# Altium PCB PCB1.PcbDoc (part 1 of 2) (continued)
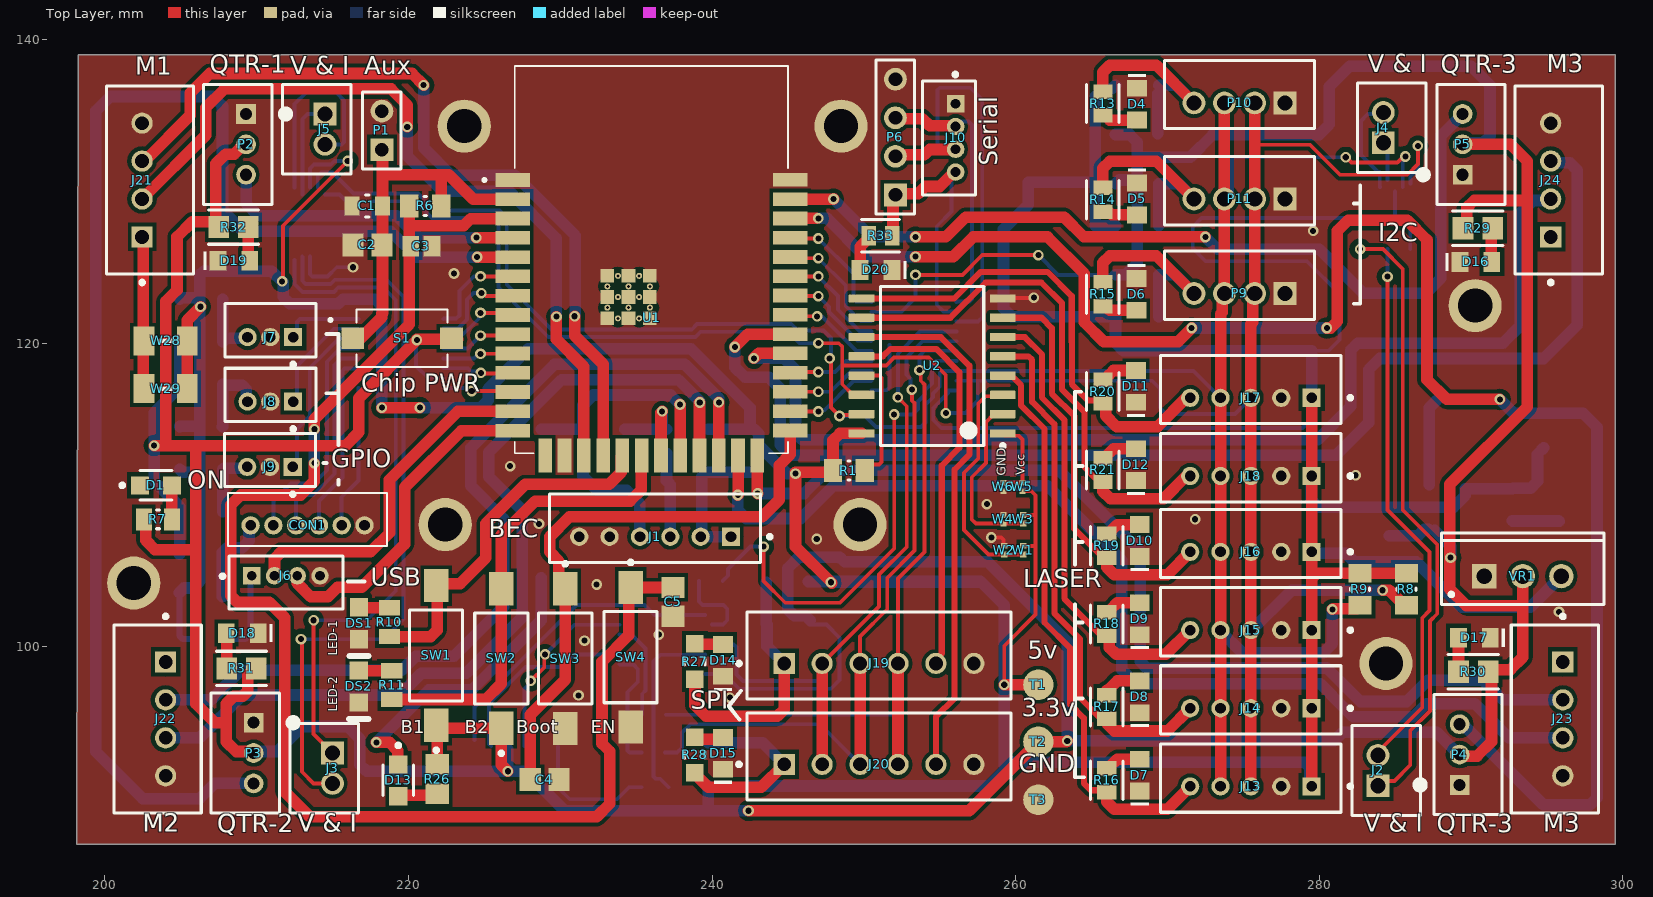
[diagram p0: Top Layer view]
## Part data
C1: library part CMP-14477-000079-3, "Multilayer Ceramic Capacitor 10uF 25V X5R 10% SMD 0805 T/R", Capacitance=10uF, Case Code (Imperial)=0805, Case Code (Metric)=2012, Dielectric=X7R, Max Operating Temperature=85°C, Min Operating Temperature=-55°C, Package Quantity=1, Resistor Type=Ceramic, Tolerance=10%, Voltage=16V, Voltage Rating=25V, Case/Package=0805, Height=1.25mm, Lead Free="Lead Free", Length=0.079inch, Mount="Surface Mount", Number of Pins=2, Packaging="Tape and Reel", REACH SVHC="No SVHC", RoHS Compliant=Yes, Series=M, Termination=SMD/SMT, Thickness=0.053inch, Voltage Rating (DC)=25V, Width=0.049inch
C2 C4 C5: library part CMP-2100-03644-1, "Chip Capacitor, 0.1 uF, +/- 10%, 50 V, -55 to 125 degC, 0805 (2012 Metric), RoHS, Tape and Reel", Capacitance=100nF, Case Code (Imperial)=0805, Case Code (Metric)=2012, Dielectric=X7R, Dielectric Material=Ceramic, Insulation Resistance=10GR, Manufacturer=Murata, Max Operating Temperature=125degC, Min Operating Temperature=-55degC, Package Description="2-Pin Surface Mount Device, Body 2 x 1.25 mm", Package Quantity=1, Tolerance=10%, Voltage=50V, Case/Package=0805, Datasheet URL=http://psearch.en.murata.com/capacitor/product/GRM21BR71H104KA01%23.pdf, Datasheet Version=42675.0, Depth=1.25mm, Height=1.25mm, Lead Free=LeadFree, Length=2mm, Manufacturer URL=http://www.murata.com/, Material=Ceramic, Mount=SurfaceMount, Number of Pins=2, Package Reference=0805, Packaging=TapeandReel, Radiation Hardening=No, REACH SVHC=Unknown, RoHSCompliant=true, Termination=SMD/SMT, Thickness=0.053inch, Voltage Rating=50V, Voltage Rating (DC)=50V, Width=0.049inch
C3: library part CMP-1036-04746-2, Manufacturer=Kemet, Part Number=C0805C105K4PACTU
C6 C7: library part CMP-06035-003841-1, "Chip Multilayer Ceramic Capacitors for General Purpose, 1206, 22uF, X7R, 15%, 10%, 10V", Capacitance=22uF, Case Code (Imperial)=1206, Case Code (Metric)=3216, Dielectric=X7R, Max Operating Temperature=125°C, Min Operating Temperature=-55°C, Package Quantity=1, Tolerance=10%, Voltage=10V, Case/Package=1206, Depth=1.6mm, Height=1.6mm, Lead Free="Lead Free", Length=3.2mm, Material=Ceramic, Mount="Surface Mount", Packaging="Tape and Reel", Radiation Hardening=No, REACH SVHC="No SVHC", Termination=SMD/SMT, Thickness=0.071inch, Voltage Rating=10V, Voltage Rating (DC)=10V, Width=0.063inch
CON1: "Connector Header Surface Mount 6 position 0.059 (1.50mm)", Package=None, Supplier Part Number 1=6983506, Availability=Unavailable, Check_prices=https://www.snapeda.com/parts/B6B-ZR/JST/view-part/4701794/?ref=eda, MF=JST, MP=B6B-ZR, Price=None, SnapEDA_Link=https://www.snapeda.com/parts/B6B-ZR/JST/view-part/4701794/?ref=snap, Supplier 1="Future Electronics"
D1: library part CMP-44529-000064-1, "LED YELLOW CLEAR CHIP SMD", Case Code (Imperial)=0805, Case Code (Metric)=2012, Color=Yellow, Forward Current=20mA, Forward Voltage=2V, Illumination Color=Green, Lens Color=Clear, Max Operating Temperature=85°C, Min Operating Temperature=-40°C, Package Quantity=2000, Case/Package=0805, Dominant Wavelength=590nm, Height=0.4mm, Lead Free="Lead Free", Length=2mm, Lens Style=Clear, Luminous Intensity=150mcd, Mount="Surface Mount", Number of LEDs=1, Number of Pins=2, Packaging="Tape and Reel", RoHS Compliant=Yes, Series=APHCM, Test Current=20mA, Viewing Angle=110°, Wavelength=590nm, Width=1.25mm
D2: library part CMP-2000-05919-1, "Medium Power AF Schottky Diode, 0.41 V, 1 A, -65 to 125 degC, 2-Pin SOD323, RoHS, Tape and Reel", Manufacturer=Infineon, Max Processing Temp=260, Operating Temperature=-65to125C, Package Description="2-Pin Small Outline Diode Package, Body 1.25 x 1.7 mm", Package Reference=SOD323, Peak Average Forward Current=1A, Peak Reverse Repetitive Voltage=30V, Configuration=Single, Datasheet URL=http://www.infineon.com/dgdl/Infineon-BAS3010ASERIES-DS-v01_01-en.pdf?fileId=db3a30431ddc9372011dfbc50f231c06, Datasheet Version=04/2007, Lead Finish=Tin, Manufacturer URL=http://www.infineon.com/, Mounting=SurfaceMount, Mounting Technology=SurfaceMount, Package URL=http://www.infineon.com/dgdl/SOD323-Package_Overview.pdf?folderId=db3a30431936bc4b011952aab84f3bbe&fileId=db3a30431936bc4b011952beed653be3, Screening Level=Automotive, Type=SchottkyDiode
D3: library part CMP-1426-00010-3, Case Code (Imperial)=0805, Case Code (Metric)=2012, Color=Red, Forward Current=100mA, Forward Voltage=1.9V, Max Junction Temperature (Tj)=95°C, Max Operating Temperature=85°C, Max Reverse Voltage (DC)=5V, Min Operating Temperature=-40°C, Power Dissipation=72mW, Test Current=20mA, Case/Package=0805, Dominant Wavelength=630nm, Height=700µm, Length=2mm, Lens Style="Clear, Rectangular", Luminous Intensity=60mcd, Mount="Surface Mount", NexarPartId=29717782, Packaging="Tape and Reel", Peak Wavelength=645nm, REACH SVHC=Unknown, Reverse Voltage=5V, RoHS=Compliant, Viewing Angle=140°, Wavelength=630nm, Width=1.25mm
D4 D5 D6 D7 D8 D9 D10 D11 D12 D14 D15 D16 D17 D18 D19 D20: library part CMP-1426-00008-6, Case Code (Imperial)=0805, Case Code (Metric)=2012, Color=Blue, Forward Current=100mA, Forward Voltage=3.2V, Max Junction Temperature (Tj)=95°C, Max Operating Temperature=85°C, Max Reverse Voltage (DC)=5V, Min Operating Temperature=-40°C, Power Dissipation=105mW, Test Current=20mA, Case/Package=0805, Dominant Wavelength=470nm, Height=700µm, Lead Free="Lead Free", Length=2mm, Lens Style="Clear, Rectangular", Luminous Intensity=145mcd, Mount="Surface Mount", NexarPartId=29717779, Packaging="Tape and Reel", Peak Wavelength=465nm, REACH SVHC=Unknown, Reverse Voltage=5V, RoHS=Compliant, Viewing Angle=140°, Wavelength=470nm, Width=1.25mm
D13: library part CMP-22017-000036-1, "LED ORANGE CLEAR SMD", Case Code (Imperial)=0805, Case Code (Metric)=2012, Color=Orange, Forward Current=30mA, Forward Voltage=2V, Lens Color=Colorless, Max Operating Temperature=85°C, Min Operating Temperature=-55°C, Package Quantity=1, Power Dissipation=75mW, Reverse Voltage=5V, Test Current=20mA, Case/Package=0805, Depth=1.6mm, Dominant Wavelength=605nm, Height=1.1mm, Illumination Color=Orange, Lead Free="Lead Free", Length=3.2mm, Lens Style=Diffused, Lens Transparency=Clear, Luminous Intensity=60mcd, Mount="Surface Mount", Number of Elements=1, Number of LEDs=1, Number of Pins=2, Packaging="Tape and Reel", Power Rating=75mW, Radiation Hardening=No, Viewing Angle=130°, Wavelength=611nm, Width=1.25mm
DS1 DS2: library part CMP-2000-05062-1, "Chip LED, Green, 2.2 V, -40 to 85 degC, 2-Pin SMD, Pb-Free, Tape and Reel", Forward Current If=20mA, Forward Voltage=2.2V, Forward Voltage VF Max=2.6V, LED Colour=Green, Manufacturer=Avago, Operating Temperature Max=85degC, Operating Temperature Min=-30degC, Operating Temperature Range=-30degCto+85degC, Opto Case Style=SMD, Package Description="2-Pin Surface Mount Device, Body 2 x 1.25 mm, Height 0.8 mm", Package Reference=HSMX-C170, Storage Temperature Min=-40degC, Bulb Size=1.25mmx1.4mm, Datasheet URL=https://datasheet.ciiva.com/29280/180495-da-01-en-chip-led-hsmg-c170-gelb-gruen-29280971.pdf, Datasheet Version=Oct-08, Dominant Wavelength=572nm, Dominant Wavelength Typ=572nm, External Depth=0.8mm, External Length / Height=2mm, External Width=1.25mm, Forward Current If Max=20mA, LED Mounting=SMD, LED Type=Standard, Lens Shape=Rectangular, Light Area Height=1mm, Luminous Intensity=15mcd, Luminous Intensity Min=4mcd, Luminous Intensity Typ=15mcd, Manufacturer URL=http://www.avagotech.com/, Mounting Type=SMD, MSL=MSL2A-4weeks, No. of Pins=2, Opto Mounting Orientation=Top, Packaging=CutTape, Peak Forward Current=20mA, Peak Wavelength=570nm, PIV Max=5V, Storage Temperature Max=85degC, SVHC=NoSVHC(16-Jun-2014), Viewing Angle=170deg, Voltage Vf Typ=2.2V, Wavelength Typ=570nm
J1: library part CMP-17439-000495-1, "PH Series 6 Position 2 mm Pitch Through Hole Top Entry Shrouded Header", Lead Free="Lead Free"
J2 J3 J4 J5: library part CMP-2000-05162-1, "Male Header, Pitch 2 mm, 1 x 2 Position, Height 6 mm, Tail Length 3.4 mm, -25 to 85 degC, RoHS, Bulk", Manufacturer=JST, Datasheet URL=http://datasheet.octopart.com/B2B-PH-K-S%28LF%29%28SN%29-JST-datasheet-8324864.pdf, Datasheet Version=Nov-08, Manufacturer URL=http://www.jst.com/home2.html, No of Positions=2, Pitch=2mm, Style/Orientation=StraightHeader/Plug, Termination=Crimp, Type=ShroudedHeader
J6 J10: library part CMP-17439-000033-1, "CONN HEADER VERT 4POS 1.5MM", Color=Natural, Contact Resistance=30mR, Current Rating=1A, Flammability Rating="UL94 V-0", Housing Color=Beige, Insulation Resistance=500MR, Max Operating Temperature=85°C, Max Voltage Rating (AC)=50V, Min Operating Temperature=-25°C, Body Plating=Tin, Connector Type="Male Pin", Contact Material=Brass, Contact Mating Length=0.094inch, Contact Plating=Tin, Contact Type="Male Pin", Depth=3.5mm, Fastening Type=Detent, Gender=Male, Housing Material=Polyamide, Lead Free="Lead Free", Lead Pitch=1.5mm, Length=7.5mm, Material=Nylon, Max Current Rating=1A, Mount="Through Hole", Number of Contacts=4, Number of Positions=4, Number of Rows=1, Orientation=Straight, Packaging=Bulk, Panel Thickness=3.5mm, Pitch=1.5mm, REACH SVHC="No SVHC", Series=ZH, Termination=Solder, Voltage Rating=50V, Voltage Rating (AC)=50V, Voltage Rating (DC)=50V
J7 J8 J9: library part CMP-17439-000041-1, "CONN HEADER VERT 3POS 1.5MM", Color=Natural, Contact Resistance=30mR, Current Rating=1A, Flammability Rating="UL94 V-0", Housing Color=Beige, Insulation Resistance=500MR, Max Operating Temperature=85°C, Max Voltage Rating (AC)=50V, Min Operating Temperature=-25°C, Body Plating=Tin, Connector Type="Male Pin", Contact Material=Copper, Contact Mating Length=0.094inch, Contact Plating=Tin, Contact Type="Male Pin", Depth=3.5mm, Fastening Type=Detent, Gender=Male, Housing Material=Polyamide, Lead Free="Lead Free", Lead Pitch=1.5mm, Length=6mm, Material=Nylon, Max Current Rating=1A, Mount="Through Hole", Number of Contacts=3, Number of Positions=3, Number of Rows=1, Orientation=Straight, Packaging=Bulk, Panel Thickness=3.5mm, Pitch=1.5mm, REACH SVHC="No SVHC", Series=ZH, Termination=Solder, Voltage Rating=50V, Voltage Rating (AC)=50V, Voltage Rating (DC)=50V
J13 J14 J15 J16 J17 J18: library part CMP-2000-05908-2, "CONN HEADER VERT 5POS 2MM", Color=Natural, Contact Resistance=20mR, Current Rating=2A, Flammability Rating="UL94 V-0", Housing Color=White, Insulation Resistance=1MR, Max Operating Temperature=85°C, Max Voltage Rating (AC)=100V, Min Operating Temperature=-25°C, Connector Type=Header, Contact Finish - Mating=TIN, Contact Material=Brass, Contact Mating Length=0.13inch, Contact Plating=Tin, Contact Shape=Square, Contact Type="Male Pin", Depth=4.5mm, Fastening Type=Detent, Gender=Male, Height=9.4mm, Housing Material=Polyamide, Insulation Color=Natural, Insulation Material=Nylon, Lead Free="Lead Free", Lead Pitch=2mm, Length=11.9mm, Mated Stacking Heights=8mm, Material=Polyamide, Max Current Rating=2A, Mount="Through Hole", Number of Contacts=5, Number of Pins=5, Number of Poles=5, Number of Positions=5, Number of Rows=1, Orientation=Straight, Packaging=Bulk, Pitch=2mm, REACH SVHC="No SVHC", Series=PH, Termination=Solder, Voltage Rating=100V, Voltage Rating (AC)=100V, Width=4.5mm, Working Voltage=100V
J19 J20: library part CMP-17439-000076-1, "CONN HEADER VERT 6POS 2.5MM"
J21 J22 J23 J24: library part CMP-17439-000250-1, "CONN HEADER VERT 4POS 2.5MM", Color=Natural, Contact Resistance=20mR, Current Rating=3A, Flammability Rating="UL94 V-0", Housing Color=White, Insulation Resistance=1GR, Max Operating Temperature=85°C, Max Voltage Rating (AC)=250V, Min Operating Temperature=-25°C, Package Quantity=500, Connector Type=Header, Contact Finish - Mating=TIN, Contact Material=Brass, Contact Plating=Tin, Contact Shape=Square, Contact Type="Male Pin", Depth=5.75mm, Fastening Type=Detent, Gender=Male, Housing Material=Polyamide, Insulation Color=Natural, Insulation Material=Nylon, Lead Free="Lead Free", Lead Pitch=2.5mm, Length=12.4mm, Mated Stacking Heights=9.8mm, Material=Polyamide, Max Current Rating=3A, Max Voltage Rating (DC)=250V, Mount="Through Hole", Number of Contacts=4, Number of Positions=4, Number of Rows=1, Orientation=Straight, Packaging=Bulk, Pitch=2.5mm, REACH SVHC="No SVHC", Series=XH, Termination=Solder, Voltage Rating=250V, Voltage Rating (AC)=250V, Wire/Cable Gauge=22AWG
P1: "Header, 2-Pin", LatestRevisionDate=17-Jul-2002, LatestRevisionNote="Re-released for DXP Platform.", Publisher="Altium Limited"
P2 P3 P4 P5: library part CMP-2000-05164-1, "Male Header, Pitch 2 mm, 1 x 3 Position, Height 6 mm, Tail Length 3.4 mm, -25 to 85 degC, RoHS, Bulk", Manufacturer=JST, Datasheet URL=https://datasheet.ciiva.com/11746/0900766b80826550-11746939.pdf, Datasheet Version=Oct-06, Manufacturer URL=http://www.jst.com/home2.html, No of Positions=3, Pitch=2mm, Style/Orientation=StraightHeader/Plug, Termination=Crimp, Type=ShroudedHeader
P6: "Header, 4-Pin", LatestRevisionDate=17-Jul-2002, LatestRevisionNote="Re-released for DXP Platform.", Publisher="Altium Limited"
P9 P10 P11: library part CMP-2000-05165-1, "Male Header, Pitch 2 mm, 1 x 4 Position, Height 6 mm, Tail Length 3.4 mm, -25 to 85 degC, RoHS, Bulk", Manufacturer=JST, Datasheet URL=http://datasheet.octopart.com/B4B-PH-K-S%28LF%29%28SN%29-JST-datasheet-10558886.pdf, Datasheet Version=Apr-09, Manufacturer URL=http://www.jst.com/home2.html, No of Positions=4, Pitch=2mm, Style/Orientation=StraightHeader/Plug, Termination=Crimp, Type=ShroudedHeader
R1 R6 R8 R9 R12: library part CMP-2001-04908-2, "RES Thick Film, 10kΩ, 1%, 0.125W, 100ppm/°C, 0805", Case Code (Imperial)=0805, Case Code (Metric)=2012, Max Operating Temperature=155°C, Min Operating Temperature=-55°C, Package Quantity=5000, Power Rating=125mW, Resistance=10kR, Temperature Coefficient=100ppm/°C, Tolerance=1%, Voltage Rating=150V, Case/Package=0805, Composition="Thick Film", Contact Plating=Tin, Depth=1.25mm, Height=0.45mm, Lead Free="Lead Free", Length=2mm, Military Standard=Not, Packaging="Tape and Reel", Radiation Hardening=No, Termination=SMD/SMT, Voltage Rating (DC)=150V, Weight=0.000194oz, Width=1.25mm
R2 R4: library part CMP-2100-03668-5, "RES 100K OHM 1% 1/8W 0805", Case Code (Imperial)=0805, Case Code (Metric)=2012, Max Operating Temperature=155°C, Max Power Dissipation=125mW, Min Operating Temperature=-55°C, Package Quantity=1, Resistance=100kR, Resistance Tolerance=1%, Resistor Type="Thick Film", Temperature Coefficient=100ppm/°C, Voltage Rating=150V, Case/Package=0805, Construction=Rectangular, Depth=1.25mm, Features="Moisture Resistant", Height=0.024inch, Lead Free="Lead Free", Lead Pitch=0.4mm, Length=0.079inch, Military Standard=Not, Number of Pins=2, Number of Terminations=2, Packaging="Tape and Reel", Power Rating=125mW, RoHS Compliant=Yes, Series=RC, Size Code=0805, Technology="THICK FILM", Termination=SMD/SMT, Tolerance=1%, Voltage Rating (DC)=150V, Width=0.049inch
R3 R5: library part CMP-2001-03939-2, "RES Thick Film, 47kΩ, 1%, 0.125W, 100ppm/°C, 0805", Case Code (Imperial)=0805, Case Code (Metric)=2012, Max Operating Temperature=155°C, Max Power Dissipation=125mW, Min Operating Temperature=-55°C, Package Quantity=10, Resistance=47kR, Temperature Coefficient=100ppm/°C, Tolerance=1%, Voltage Rating=150V, Case/Package=0805, Composition="Thick Film", Contact Plating=Tin, Depth=1.25mm, Features="Automotive AEC-Q200", Height=0.45mm, Lead Free="Lead Free", Length=2mm, Military Standard=Not, Number of Terminations=2, Packaging="Tape and Reel", Power Rating=125mW, Radiation Hardening=No, Termination=SMD/SMT, Voltage Rating (DC)=150V, Weight=0.000194oz, Width=1.25mm, Working Voltage=150V
R7: library part CMP-2001-04066-1, Manufacturer="Vishay Dale", Part Number=CRCW0805680RFKEA
R10 R11: library part CMP-2001-03859-2, "RES Thick Film, 390Ω, 1%, 0.125W, 100ppm/°C, 0805", Case Code (Imperial)=0805, Case Code (Metric)=2012, Max Operating Temperature=155°C, Max Power Dissipation=125mW, Min Operating Temperature=-55°C, Package Quantity=10, Resistance=390R, Temperature Coefficient=100ppm/°C, Tolerance=1%, Voltage Rating=150V, Case/Package=0805, Composition="Thick Film", Contact Plating=Tin, Depth=1.25mm, Features="Automotive AEC-Q200", Height=0.45mm, Lead Free="Lead Free", Length=2mm, Military Standard=Not, Mount="Surface Mount", Number of Terminations=2, Packaging="Tape and Reel", Power Rating=125mW, Radiation Hardening=No, Termination=SMD/SMT, Voltage Rating (DC)=150V, Weight=0.000194oz, Width=0.049inch
R13 R14 R15 R16 R17 R18 R19 R20 R21 R27 R28 R33: library part CMP-05422-000125-1, "RES SMD 1K OHM 1% 1/2W 0805", Case Code (Imperial)=0805, Case Code (Metric)=2012, Max Operating Temperature=155°C, Max Power Dissipation=500mW, Min Operating Temperature=-55°C, Package Quantity=5000, Resistance=1kR, Resistance Tolerance=1%, Resistor Type="Thick Film", Temperature Coefficient=100ppm/°C, Voltage Rating=150V, Case/Package=0805, Construction=Rectangular, Contact Plating=Tin, Depth=1.25mm, Features="Automotive AEC-Q200", Height=0.6mm, Length=2mm, Military Standard=Not, Mount="Surface Mount", Number of Pins=2, Number of Terminations=2, Packaging="Tape and Reel", Power Rating=500mW, Radiation Hardening=No, REACH SVHC="No SVHC", RoHS Compliant=Yes, Series=ERJ, Technology="THICK FILM", Termination=Tab, Tolerance=1%, Voltage Rating (DC)=150V, Width=1.2mm
R22 R23 R24 R25: library part CMP-28537-003170-1, "Automotive Metal Thin Film Chip Resistor, 0805, 3.3kΩ, 0.25%, 10ppm/°C, 0.125W, 150V", Case Code (Imperial)=0805, Case Code (Metric)=2012, Max Operating Temperature=155°C, Max Power Dissipation=125mW, Min Operating Temperature=-55°C, Power Rating=100mW, Resistance=3.3kR, Temperature Coefficient=10ppm/°C, Tolerance=0.25%, Voltage Rating=100V, Voltage Rating (DC)=150V, Case/Package=0805, Features="Automotive AEC-Q200", Height=0.4mm, Lead Free="Lead Free", Length=2mm, Number of Terminations=2, Packaging="Tape and Reel", RoHS Compliant=Yes, Series=RG, Termination=SMD/SMT, Width=1.25mm
R26: library part CMP-2001-00566-1, Manufacturer=Panasonic, Part Number=ERJ6ENF6800V
R29 R30 R31 R32: library part CMP-2001-04437-2, Case Code (Imperial)=0805, Case Code (Metric)=2012, Max Operating Temperature=155°C, Max Power Dissipation=125mW, Min Operating Temperature=-55°C, Resistance=150Ω, Temperature Coefficient=100ppm/°C, Tolerance=1%, Voltage Rating=150V, Case/Package=0805, Composition="Thick Film", Contact Plating=Tin, Depth=1.25mm, Features="Automotive AEC-Q200", Height=600µm, Lead Free="Lead Free", Length=2mm, Lifecycle Status=Production, Military Standard=Not, Mount="Surface Mount", NexarPartId=55422415, Number of Pins=2, Number of Terminations=2, Packaging="Cut Tape (CT)", Power Rating=125mW, Radiation Hardening=No, REACH SVHC="No SVHC", RoHS=Compliant, Schedule B="8533210045, 8533210045", Termination=SMD/SMT, Voltage Rating (DC)=150V, Width=1.2446mm, Working Voltage=150V
S1: Package=None, Supplier Part Number 1=2223-TS10-63-26-BE-250-SMT-TRCT-ND, Availability=Unavailable, MP=TS10-63-26-BE-250-SMT-TR, Price=None, Supplier 1=Digikey
SD1: library part CMP-2000-05848-1, "MicroSD(TM), Pitch 1.1 mm, 8 Position, Height 1.88 mm, -20 to 85 degC, RoHS, Tape and Reel", Manufacturer=Molex, Package Description="MicroSD(TM), Pitch 1.1 mm, 8 Position, Height 1.88 mm", Datasheet URL=http://www.molex.com/pdm_docs/sd/473521001_sd.pdf, Datasheet Version="Rev. G, 01/2012", Manufacturer URL=http://www.molex.com/, Mounting Technology=SurfaceMount, Package Reference=473521001
SW1 SW2 SW3 SW4: library part CMP-2000-07501-1, "FSMSM Push Button Switch, 50 mA, -35 to 85 degC, 2-Pin SMD, RoHS, Tape and Reel", Case\/Package=SMD/SMT, Contact Current Rating=50mA, Contact Resistance=100mOhm, Manufacturer="TE Connectivity", Max Operating Temperature=85degC, Max Voltage Rating (DC)=12V, Min Operating Temperature=-35degC, Operating Force=180gf, Package Description="2-Pin Surface Mount Device, Body 6 x 3.5 mm, Pitch 9.19 mm", Package Quantity=1800, Voltage Rating (DC)=24V, Actuator Length=1.07mm, Actuator Material=Polyamide, Contact Material=Brass, Contact Plating=Silver, Current Rating=50mA, Datasheet URL=http://www.te.com/commerce/DocumentDelivery/DDEController?Action=showdoc&DocId=Customer+Drawing%7F1437566-3%7FC2%7Fpdf%7FEnglish%7FENG_CD_1437566-3_C2_1437566_3_1_c.dwg.pdf%7F1437566-4, Datasheet Version="Rev. C2, 08/2014", Electrical Life=20000Cycles, ELV=Compliant, Illumination Type=Illuminated, Lead Free=LeadFree, Manufacturer URL=http://www.te.com/, Mechanical Life=20000Cycles, Mount=SurfaceMount, Mounting Technology=SurfaceMount, Orientation=Straight, Package Reference=FSMSMTR, Packaging=TapeandReel, REACH SVHC=Unknown, RoHSCompliant=true, Switch Travel=0.25mm, Termination=GullWing, Throw Configuration=SPST
U1: library part ESP32-S3-WROOM-1, "SMD MODULE, ESP32-S3R8 WITH 8 MB", Package="NON STANDARD Espressif Systems", Check_prices=https://www.snapeda.com/parts/ESP32-S3-WROOM-1/Espressif+Systems/view-part/?ref=eda, MF="Espressif Systems", MP=ESP32-S3-WROOM-1, SnapEDA_Link=https://www.snapeda.com/parts/ESP32-S3-WROOM-1/Espressif+Systems/view-part/?ref=snap, Supplier 1=Digikey
U2: library part CMP-0314-00117-2, "Remote 8-Bit I/O Expander for I2C-Bus, 2.5 to 6 V, -40 to 85 degC, 16-pin SOIC (DW), Green (RoHS & no Sb/Br)", Manufacturer="Texas Instruments", Max Frequency(kHz)=100, Voltage Nodes(V)="5, 3.3", # of I/Os=8, Code_JEDEC=MS-013-AA, ComponentLink1Description=Datasheet, ComponentLink1URL=http://www.ti.com/general/docs/lit/getliterature.tsp?genericPartNumber=PCF8574&fileType=pdf, ComponentLink2Description="Package Specification", ComponentLink2URL=http://www.ti.com/litv/pdf/msoi003g, DatasheetVersion=SCPS068G, Eco-Plan="Green (RoHS & no Sb/Br)", fSCLK(Max)(MHz)=0.1, I2C Address="0100 xxx", Interrupt Output=Yes, Mounting Technology="Surface Mount", PackageDescription="16-Pin Small Outline Integrated Circuit, 10.3 x 7.5 mm, Pitch 1.27 mm Pitch", PackageReference=DW0016A, PackageVersion="revG, Jan-2011", PartNumber=PCF8574DWR, Push-Pull I/O Type=Yes, Reset Input=No, SubFamily="I2C IO Expander", Vcc range(V)="2.5 to 6.0", VCC(Max)(V)=6, VCC(Min)(V)=2.5
U3 U4: library part CMP-0003-00378-2, "16-Bit ADC with Integrated Multiplexer, PGA, Comparator, Oscillator, and Reference, -40 to 125 degC, 10-pin SOP (DGS10), Green (RoHS & no Sb/Br)", Analog Voltage AV/DD(Max)(V)=5.5, Analog Voltage AV/DD(Min)(V)=2, Manufacturer="Texas Instruments", # Input Channels=4, Architecture=Delta-Sigma, Code_JEDEC=MO-153, ComponentLink1Description="Manufacturer URL", ComponentLink1URL=http://www.ti.com/, ComponentLink2Description=Datasheet, ComponentLink2URL=http://www.ti.com/general/docs/lit/getliterature.tsp?genericPartNumber=ADS1115&fileType=pdf, ComponentLink3Description="Package Specification", ComponentLink3URL=http://www.ti.com/lit/ml/mpds035b/mpds035b.pdf, DatasheetVersion=SBAS444B, Digital Supply(Max)(V)=5.5, Digital Supply(Min)(V)=2, Eco-Plan="Green (RoHS & no Sb/Br)", INL(Max)(+/-LSB)=1, Interface="Serial I2C", Mounting Technology="Surface Mount", PackageDescription="10-Pin Plastic Small Outline, Body 3 x 3 mm, Pitch 0.5 mm", PackageReference=DGS10, PackageVersion="4073272/C, 02/2004", PartNumber=ADS1115IDGST, Resolution(Bits)=16, Sample Rate (max)(SPS)=860, SubFamily="Precision ADC (<=10MSPS)"
U5 U6: library part CMP-04899-000001-1, "IC TRNSLTR BIDIRECTIONAL 20TSSOP", Ambient Temperature Range High=+125°C, Ambient Temperature Range Low=-40°C, Manufacturer="Texas Instruments", Max Junction Temp=+150°C, Max Supply Voltage=5.5V, Min Supply Voltage=1.4V, Nominal Supply Current=8uA, Package=PW0020A, Temperature="-40°C to +125°C", Automotive=Yes, Automotive Grade="Grade 1", Category=IC, ComponentLink2Description=Datasheet, ComponentLink2URL=http://www.ti.com/lit/ds/symlink/txs0108e-q1.pdf, Data Rate=110Mbits/s, Device Class L1="Integrated Circuits (ICs)", Device Class L2="Logic ICs", Device Class L3="Voltage Level Shifters", Digikey Description="IC TRNSLTR BIDIRECTIONAL 20TSSOP", Height=1.2mm, Ipc Land Pattern Name=SOP65P640X120-20, Lead Free=Yes, Logic Function Desc=Non-inverting, Manufacturer Part Number=TXS0108EQPWRQ1, Mouser Description="Translation - Voltage Levels 8B Bidir Vltg-Level Translator ALT 595-TXS0108EPWR", Number Of Circuits=1, Number Of Inputs=8, Number Of Outputs=8, Octopart=https://octopart.com/txs0108eqpwrq1-texas+instruments-59160487, RoHS=TRUE, Standoff Height=0.05mm, Temperature Range High=+125°C, Temperature Range Low=-40°C, V A Max=3.6V, V A Min=1.4V, V B Max=5.5V, V B Min=1.65V
U7: library part CMP-07128-000023-2, "IC REG LINEAR 3.3V 1A DPAK", Case/Package=DPAK, Dropout Voltage=1.07V, Input Bias Current=6mA, Max Input Voltage=20V, Max Operating Temperature=125°C, Max Output Current=1A, Min Operating Temperature=0°C, Nominal Output Voltage=3.3V, Output Voltage Accuracy=1%, Package Quantity=1, Quiescent Current=10mA, Reference Voltage=1.27V, Accuracy=1%, Contact Plating=Tin, Halogen Free="Halogen Free", Height=2.38mm, Lead Free="Lead Free", Length=6.73mm, Min Current Limit=1A, Mount="Surface Mount", Number Of Outputs=1, Number of Pins=3, Number of Regulators=1, Output Current=1A, Output Type=Fixed, Output Voltage=3.3V, Packaging="Tape and Reel", Polarity=Positive, Radiation Hardening=No, REACH SVHC="No SVHC", Width=6.22mm
U9: library part CMP-0440-00179-4, "IC BUF NON-INVERT 3.6V 14TSSOP", Case/Package=TSSOP, High Level Output Current=-24mA, Low Level Output Current=24mA, Max Operating Temperature=125°C, Max Power Dissipation=500mW, Max Supply Voltage=3.6V, Min Operating Temperature=-40°C, Min Supply Voltage=1.65V, Package Quantity=1, Quiescent Current=1uA, Contact Plating=Gold, Height=1.15mm, Lead Free="Lead Free", Length=5mm, Logic Function=Buffer, Mount="Surface Mount", Number of Bits=4, Number of Bits per Element=1, Number of Channels=4, Number Of Circuits=4, Number of Elements=4, Number of Gates=4, Number of Input Lines=4, Number Of Inputs=4, Number of Output Lines=3, Number Of Outputs=4, Number of Pins=14, Packaging="Tape and Reel", Polarity=Non-Inverting, Propagation Delay=4.6ns, Radiation Hardening=No, REACH SVHC="No SVHC", Termination=SMD/SMT, Turn-On Delay Time=5.3ns, Width=4.4mm
VR1: "Voltage Regulator", LatestRevisionDate=29-May-2009, LatestRevisionNote="IPC-7351 Footprint Added.", PackageDescription="3-Pin Transistor Outline Package 2.54 mm Pitch, 15.1 mm Lead Span", PackageReference=D2PAK, Published=24-Mar-1999, Publisher="Altium Limited"

## Free pads (board coordinates)
  round 3.5 hole 2.25: M2(201.9,104.2) M2(222.425,108.05) M2(223.675,134.3) M2(248.5,134.3) M2(249.75,108.05) M2(284.4,98.9) M2(290.275,122.475)

## Via types
v1: diameter 0.7, hole 0.4, Top Layer to Bottom Layer, 93 vias

## Nets (pads, with @x,y where several pads share a name; then routed paths per layer and width w, separated by ;. In a path a pad name is that pad's centre, name@x,y a point inside that pad or via, vN(x,y) a via of type N, cw(c..) or ccw(c..) an arc to the next point about the centre after c; other vN are vias at no path point)
3.3V: C7.1 P2.2 P3.2 P4.2 P5.2 R7.2 R26.2 R29.2 R30.2 R31.2 R32.2 S1.2 SD1.4 SW1.1 SW2.1 T2.1 U5.19 U6.19 U9.14 VR1.2 W13.2 W14.2 W15.2 W16.2 W17.1 W18.2 W19.2 W20.2 W26.2 W27.2 | length 375.1
  Top Layer w0.254: v1(253.4,124.5) 256.5,124.5 257.8,125.8 v1(261.5,125.8)
  Top Layer w0.762: R7.2@202.566,108.4 202.685,108.281 202.685,107.015 203.3,106.4 206,106.4 ; v1(203.25,113.25) 206,113.25 ; 204,113.5 204,122.75 204.75,123.5 204.75,127 205.751,128.001 207.315,128.001 207.315,131.815 207.958,132.458 208.513,132.458 209.154,133.1 P2.2@209.3,133.1 ; R31.2@209.535,98.249 209.416,98.13 209.416,97.077 209.089,96.75 208.5,96.75 208,96.25 208,95 ; P3.2@209.8,93 209.697,93.103 208.647,93.103 208,93.75 208,95 ; v1@220.546,120.25 S1.2@223.25,120.25 ; v1(220.551,120.209) 216.725,116.383 216.725,114.125 215.85,113.25 206,113.25 ; R26.2@221.904,92.264 221.904,94.634 SW2.1@226.117,94.634 226.117,92.233 v1(226.55,91.8) ; v1(242.4,89.2) 256.951,89.2 T2.1@261.5,93.75 263.35,93.75 v1(263.4,93.8) ; v1(288.65,105.871) v1@288.6,105.871 ; P4.2@289.25,92.9 289.19,92.9 289.09,92.8 290.4,92.8 291.35,93.75 R30.2@291.35,98.435 ; P5.2@289.45,133.1 292.6,133.1 293.7,132 293.7,129.4 ; R29.2@289.474,127.575 289.6,127.701 289.6,127.9 289.719,128.019 289.719,128.919 290.2,129.4 293.7,129.4 ; R30.2@291.126,98.35 291.135,98.35 291.285,98.5 292.6,98.5 293.41,99.31 VR1.2@293.41,104.65 ; 293.125,102.7 289.7,102.7 288.6,103.8 v1@288.6,105.871 ; 206,106.4 206,96.25 207.25,95 208,95 ; 206,106.4 206,113.25 ; v1@288.6,105.871 288.6,110.7 293.7,115.8 293.7,129.4
  Bottom Layer w0.254: v1(220.551,120.209) 220.5,120.158 220.5,118.5 221.277,117.723 222.277,117.723 U6.19@222.3,117.7 ; U9.14@239.55,98.2 240.8,98.2 241.765,97.235 247.835,97.235 248.407,97.807 248.407,100.593 247.54,101.46 W26.2@246.461,101.46 ; U5.19@250.5,122.075 252.475,122.075 253.4,123 v1(253.4,124.5) ; v1(261.5,125.8) 262.8,124.5 W20.2@266.514,124.5 W20.2@266.579,124.5
  Bottom Layer w0.762: W13.2@204.908,106.1 204.919,106.11 204.919,108.895 204.929,108.905 W16.2@204.929,108.963 204.929,109.233 203.25,110.912 v1(203.25,113.25) 203.25,115.425 204.625,116.8 204.625,116.996 204.929,117.3 W14.2@204.929,120.1 ; P3.2@209.8,93 209.903,93.103 211.353,93.103 213,94.75 216,94.75 216.8,93.95 216.8,92.246 217.246,91.8 v1(226.55,91.8) ; SD1.4@226.55,93.25 v1(226.55,91.8) ; 239.75,89.5 W27.2@239.75,90.828 ; v1(242.4,89.2) 242.394,89.194 230.306,89.194 227.7,91.8 v1(226.55,91.8) ; W26.2@246.461,101.73 246.157,102.034 245.421,102.034 244.975,102.48 244.975,105.162 245.713,105.9 248.42,105.9 248.731,105.589 258.161,105.589 263.4,100.35 v1(263.4,93.8) 281,93.8 281.561,94.361 287.739,94.361 P4.2@289.2,92.9 ; W20.2@266.579,124.5 267.25,124.5 268,125.25 268,130.75 ; W19.2@266.579,130.5 266.829,130.75 268,130.75 ; W18.2@266.579,133.75 267.5,133.75 268,133.25 268,132.25 ; C7.1@284.617,107.327 286.516,107.327 286.93,107.741 W17.1@287.2,107.741 ; W17.1@287.61,107.66 288.65,106.62 v1(288.65,105.871) ; P5.2@289.45,133.1 289.553,133.203 290.804,133.203 291.25,133.649 291.25,137 290,138.25 282,138.25 280.661,136.911 280.661,134.411 280,133.75 273,133.75 271.5,132.25 268,132.25 ; 268,130.75 268,132.25
4: P2.3 U1.4 | length 20.4
  Top Layer w0.762: v1(224.475,126.95) 224.485,126.94 U1.4@226.875,126.94
  Bottom Layer w0.762: P2.3@209.3,131.1 209.3,129.2 210.1,128.4 219.237,128.4 220.687,126.95 v1(224.475,126.95)
5: P3.3 U1.5 | length 90.6
  Top Layer w0.762: v1(224.525,125.675) 224.53,125.67 U1.5@226.875,125.67
  Bottom Layer w0.762: P3.3@209.8,91 207.25,91 206.25,90 202.5,90 199.4,93.1 199.4,135.3 200.35,136.25 207.125,136.25 207.75,135.625 207.75,128.75 209.116,127.384 218.816,127.384 220.525,125.675 v1(224.525,125.675)
6: U1.6 U6.13 | length 6.3
  Top Layer w0.254: v1@225.1,124.4 U1.6@226.875,124.4
  Bottom Layer w0.254: U6.13@222.3,121.6 222.323,121.623 223.142,121.623 223.354,121.835 223.354,123.454 224.3,124.4 v1(224.75,124.4)
7: U1.7 U6.14 | length 6
  Top Layer w0.254: 225.1,123.1 226.845,123.1 U1.7@226.875,123.13
  Bottom Layer w0.254: U6.14@222.3,120.95 222.315,120.965 223.265,120.965 223.862,121.562 223.862,122.882 224.277,123.297 224.797,123.297 v1(224.8,123.3)
8: U1.8 U6.15 | length 5.4
  Top Layer w0.254: v1@225,122 226.735,122 U1.8@226.875,121.86
  Bottom Layer w0.254: U6.15@222.3,120.3 222.323,120.323 223.341,120.323 224.665,121.646 224.665,121.794 224.871,122 v1@224.956,122
  other v1: 224.75,122
9: U1.9 U6.16 | length 5
  Top Layer w0.254: v1(224.75,120.5) 226.785,120.5 U1.9@226.875,120.59
  Bottom Layer w0.254: U6.16@222.3,119.65 223.9,119.65 v1(224.75,120.5)
10: U1.10 U6.17 | length 4.4
  Top Layer w0.254: v1@225.1,119.3 226.855,119.3 U1.10@226.875,119.32
  Bottom Layer w0.254: U6.17@222.3,119 224.329,119 224.629,119.3 v1(224.75,119.3)
11: U1.11 U6.18 | length 4.7
  Top Layer w0.254: v1@224.77,118 226.825,118 U1.11@226.875,118.05
  Bottom Layer w0.254: U6.18@222.3,118.35 223.912,118.35 224.128,118.134 224.685,118.134 v1(224.77,118.049)
12: U1.12 U6.20 | length 4.7
  Top Layer w0.254: v1(224.169,116.85) 224.18,116.839 226.816,116.839 U1.12@226.875,116.78
  Bottom Layer w0.254: U6.20@222.3,117.05 223.848,117.05 224.048,116.85 v1(224.169,116.85)
13: J6.2 U1.13 | length 22.9
  Top Layer w0.762: J6.2@211.1,104.75 211.174,104.824 211.174,105.804 211.621,106.25 217.5,106.25 218.75,107.5 218.75,111 223.26,115.51 U1.13@226.875,115.51
14: J6.3 U1.14 | length 21.9
  Top Layer w0.762: J6.3@212.6,104.75 J6.3@212.674,104.676 212.674,104.176 213.55,103.3 214.7,103.3 215.325,103.925 216.925,103.925 219.766,106.766 219.766,110.516 223.49,114.24 U1.14@226.875,114.24
17: J21.2 U1.17 | length 52.5
  Top Layer w0.762: J21.2@202.45,129.5 206.65,133.7 206.65,135.525 207.876,136.751 218.855,136.751 219.919,135.687 v1(219.919,134.25) ; v1(229.75,121.75) 229.75,120.25 231.555,118.445 U1.17@231.555,112.6
  Bottom Layer w0.762: v1(219.919,134.25) 219.919,132.331 222.25,130 226.65,130 229.75,126.9 v1(229.75,121.75)
18: J21.3 U1.18 | length 53.9
  Top Layer w0.762: J21.3@202.45,132 202.623,132 205.634,135.011 205.634,136.484 206.917,137.767 220.233,137.767 v1(221,137) ; v1(230.95,121.775) 230.95,120.487 232.825,118.612 U1.18@232.825,112.6
  Bottom Layer w0.762: v1(221,137) 221,132.875 222.8,131.075 227.012,131.075 231,127.087 231,121.825 v1(230.95,121.775)